# Altium PCB pcb.PcbDoc (part 2 of 2) (continued)
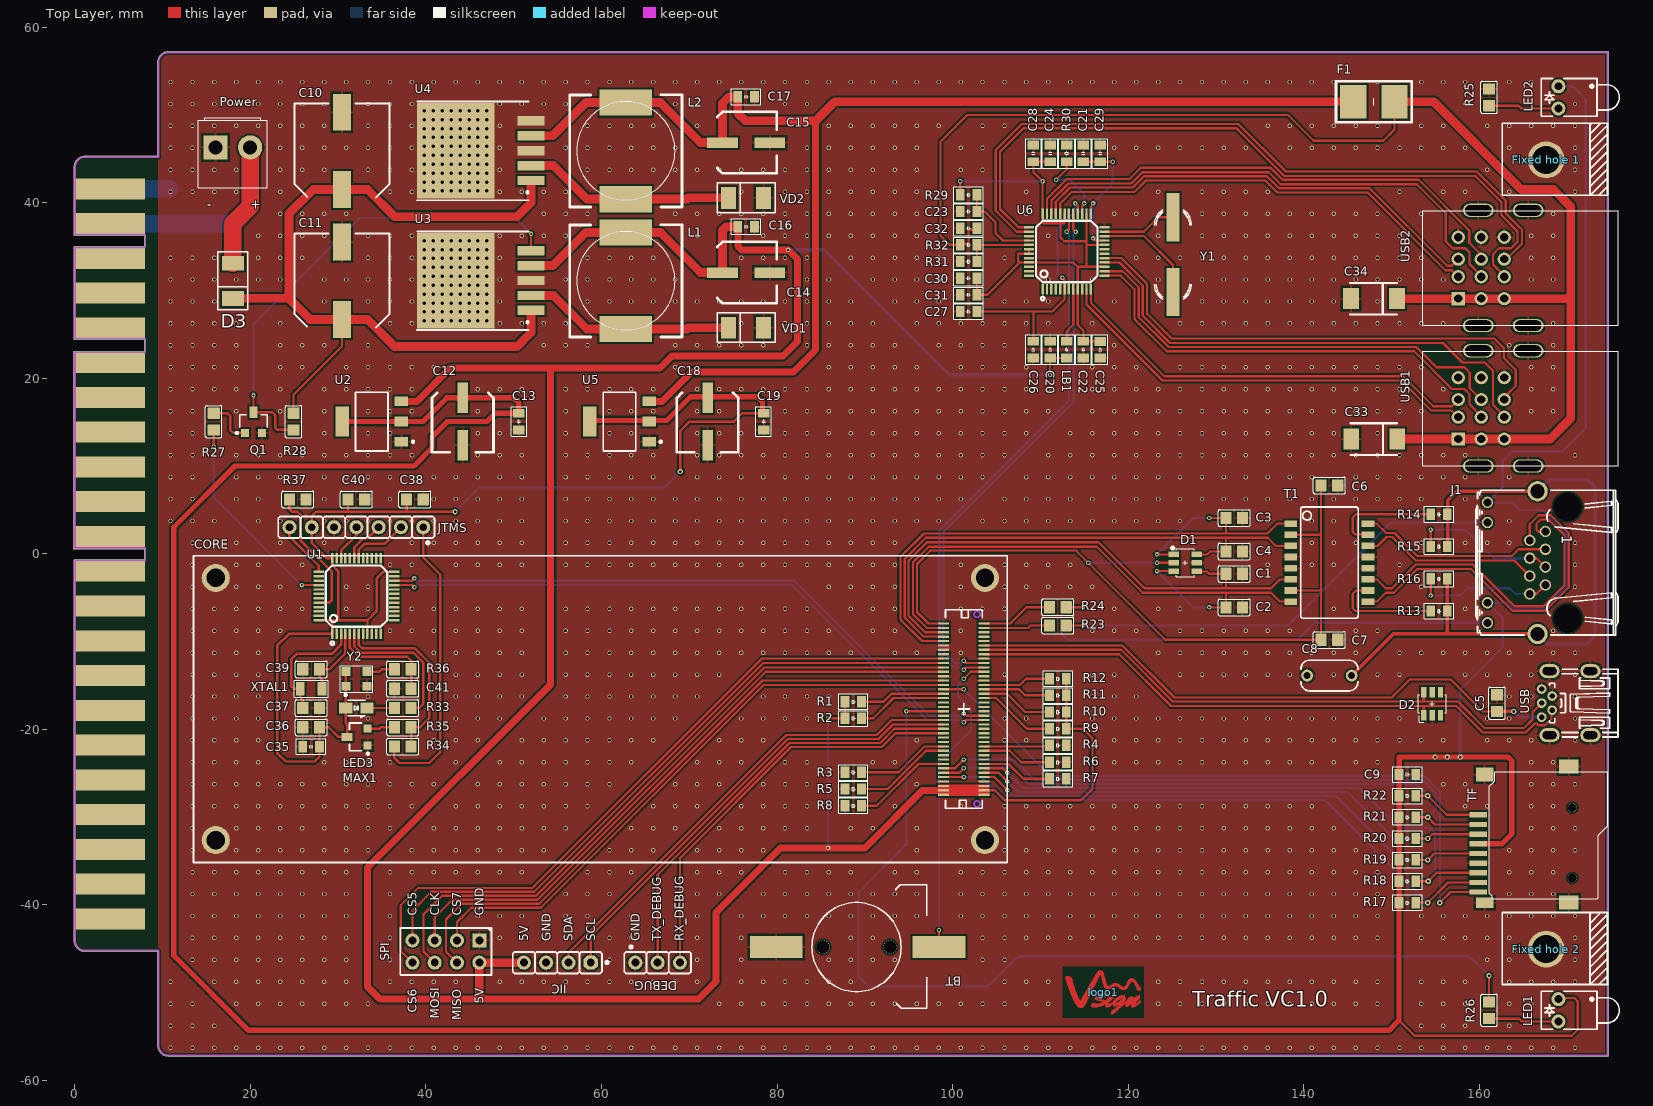
[diagram p0: Top Layer view]
## Nets (pads, with @x,y where several pads share a name; then routed paths per layer and width w, separated by ;. In a path a pad name is that pad's centre, name@x,y a point inside that pad or via, vN(x,y) a via of type N, cw(c..) or ccw(c..) an arc to the next point about the centre after c; other vN are vias at no path point) (continued)
I2C1_SCL: U1.42
I2C1_SDA: U1.43
JTMS_SWCLK: JTMS.7 U1.37 | length 6.5
  Top Layer w0.279: JTMS.7@24.447,3.034 24.447,1.974 27.777,-1.356 U1.37@27.777,-2.06
JTMS_SWDIO: JTMS.4 U1.34 | length 4.3
  Top Layer w0.279: U1.34@30.327,-0.51 30.327,0.384 32.067,2.124 JTMS.4@32.067,3.034
NetBT_2: BT.1 CORE.29 | length 35.6
  Top Layer w0.254: BT.1@98.444,-44.79 v2(98.444,-42.874) ; v2(101.265,-14.218) 102.053,-13.43 CORE.29@103.565,-13.43
  Bottom Layer w0.254: v2(98.444,-42.874) 98.444,-23.736 102.08,-20.1 102.08,-17.72 100.6,-16.24 100.6,-14.883 v2(101.265,-14.218)
NetC5_2: C5.2 CORE.35 USB.1 | length 68.8
  Top Layer w0.254: CORE.35@103.565,-10.43 119.326,-10.43 125.264,-16.368 150.018,-16.368 152.081,-14.305 156.731,-14.305 160.376,-17.95 C5.2@162.01,-17.95 ; USB.1@167.098,-18.6 USB.1@167.225,-18.727
  Top Layer w0.4: C5.2@162.01,-17.95 v3(163.926,-17.95)
  Bottom Layer w0.4: v3(163.926,-17.95) 164.576,-18.6 USB.1@167.098,-18.6
NetC10_1: C10.1 C11.1 D3.1 R28.2 U3.1 U4.1 | length 95.2
  Top Layer w0.25: R28.2@24.92,16.02 24.92,18.156 30.43,23.666 C11.1@30.43,26.71
  Top Layer w1: D3.1@18.002,29.11 24.38,29.11 ; U3.1@51.967,27.735 51.967,25.217 50.363,23.613 36.427,23.613 33.33,26.71 C11.1@30.43,26.71 26.78,26.71 24.38,29.11 ; U4.1@51.967,42.535 51.967,40.017 50.363,38.413 36.427,38.413 33.33,41.51 C10.1@30.43,41.51 27.149,41.51 24.38,38.741 24.38,29.11
NetC37_2: C37.2 U1.3 XTAL1.1 | length 14.1
  Top Layer w0.279: C37.2@25.967,-17.557 25.967,-16.636 25.667,-16.336 25.667,-15.369 24.93,-15.369 24.627,-15.066 24.627,-12.026 25.267,-11.386 29.277,-11.386 30.327,-10.336 U1.3@30.327,-9.11
NetC39_2: C39.2 U1.4 XTAL1.2 | length 8.3
  Top Layer w0.279: C39.2@27.867,-13.157 27.878,-13.146 C39.2@27.897,-13.146 ; XTAL1.2@28.167,-15.369 28.167,-14.376 27.897,-14.106 C39.2@27.897,-13.146 ; U1.4@30.827,-9.11 30.827,-11.316 28.997,-13.146 C39.2@27.897,-13.146
NetCORE_5: CORE.5 R19.1 TF.5 | length 60.9
  Top Layer w0.254: CORE.5@103.565,-25.43 104.74,-25.43 v5(106.24,-26.93) ; R19.1@152.741,-34.863 v4(154.121,-34.863) 154.854,-34.13 TF.5@158.89,-34.13
  Bottom Layer w0.254: v5(106.24,-26.93) 106.888,-27.578 143.668,-27.578 150.953,-34.863 v4(154.121,-34.863)
NetCORE_6: CORE.6 R20.1 TF.3 | length 61
  Top Layer w0.254: CORE.6@103.565,-24.93 105.24,-24.93 v5(106.24,-25.93) ; R20.1@152.741,-32.43 v4(154.121,-32.43) 154.621,-31.93 TF.3@159.89,-31.93
  Bottom Layer w0.254: v5(106.24,-25.93) 107.434,-27.124 144.944,-27.124 150.25,-32.43 v4(154.121,-32.43)
NetCORE_7: CORE.7 R18.1 TF.7 | length 67.8
  Top Layer w0.254: CORE.7@103.565,-24.43 105.74,-24.43 v5(106.24,-24.93) ; R18.1@152.794,-37.287 v4(154.174,-37.287) 155.131,-36.33 TF.7@159.89,-36.33
  Bottom Layer w0.254: v5(106.24,-24.93) 107.98,-26.67 146.29,-26.67 150.86,-31.24 154.41,-31.24 154.954,-31.784 154.954,-36.507 v4(154.174,-37.287)
NetCORE_8: CORE.8 R7.1 | length 8.2
  Top Layer w0.254: CORE.8@103.565,-23.93 106.37,-23.93 108.06,-25.62 R7.1@111.03,-25.62
NetCORE_11: CORE.11 R6.1 | length 8
  Top Layer w0.254: CORE.11@103.565,-22.43 106.494,-22.43 107.8,-23.736 111.014,-23.736 R6.1@111.03,-23.72
NetCORE_12: CORE.12 R4.1 | length 7.5
  Top Layer w0.254: CORE.12@103.565,-21.93 110.92,-21.93 R4.1@111.03,-21.82
NetCORE_23: CORE.23 R9.1 | length 8.9
  Top Layer w0.254: CORE.23@103.565,-16.43 104.975,-16.43 108.464,-19.919 R9.1@111.03,-19.919
NetCORE_24: CORE.24 R10.1 | length 8.3
  Top Layer w0.254: CORE.24@103.565,-15.93 106.18,-15.93 108.268,-18.019 R10.1@111.03,-18.019
NetCORE_25: CORE.25 R11.1 | length 7.8
  Top Layer w0.254: CORE.25@103.565,-15.43 107.563,-15.43 108.251,-16.118 R11.1@111.03,-16.118
NetCORE_26: CORE.26 R12.1 | length 7.8
  Top Layer w0.254: CORE.26@103.565,-14.93 107.65,-14.93 108.362,-14.218 R12.1@111.03,-14.218
NetCORE_39: CORE.39 R23.1 | length 7.6
  Top Layer w0.254: CORE.39@103.565,-8.43 108.628,-8.43 108.892,-8.166 111.024,-8.166 R23.1@111.03,-8.16
NetCORE_40: CORE.40 R24.2 | length 8.2
  Top Layer w0.254: CORE.40@103.565,-7.93 106.543,-7.93 108.399,-6.075 R24.2@111.03,-6.075
NetCORE_56: CORE.56 TF.9 | length 78.9
  Top Layer w0.254: CORE.56@98.965,-15.43 v2(101.265,-15.43) ; v6(155.501,-39.73) 156.701,-38.53 TF.9@159.89,-38.53
  Bottom Layer w0.254: v2(101.265,-15.43) 111.143,-25.308 153.72,-25.308 155.501,-27.089 v6(155.501,-39.73)
NetCORE_57: CORE.57 R1.1 | length 9.7
  Top Layer w0.254: R1.1@89.625,-16.836 92.124,-16.836 93.03,-15.93 CORE.57@98.965,-15.93
NetCORE_58: CORE.58 R2.1 | length 10.3
  Top Layer w0.254: R2.1@89.625,-18.736 90.964,-18.736 93.27,-16.43 CORE.58@98.965,-16.43
NetCORE_61: CORE.61 R26.2 | length 114.3
  Top Layer w0.254: v2(94.725,-17.93) CORE.61@98.965,-17.93 ; R26.2@161.11,-51.05 v6(161.11,-48.058)
  Bottom Layer w0.254: v2(94.725,-17.93) 94.725,-33.12 89.3,-38.545 89.3,-48.139 90.429,-49.267 104.013,-49.267 107.45,-45.83 158.882,-45.83 v6(161.11,-48.058)
NetCORE_65: CORE.65 DEBUG.2 | length 49.5
  Top Layer w0.254: DEBUG.2@66.39,-46.57 66.39,-36.562 81.404,-21.548 91.736,-21.548 93.354,-19.93 CORE.65@98.965,-19.93
NetCORE_66: CORE.66 DEBUG.3 | length 47.8
  Top Layer w0.254: DEBUG.3@68.93,-46.57 68.93,-34.664 81.592,-22.002 91.924,-22.002 93.496,-20.43 CORE.66@98.965,-20.43
NetCORE_69: CORE.69 R3.1 | length 10.6
  Top Layer w0.254: R3.1@89.625,-24.886 93.87,-24.886 96.826,-21.93 CORE.69@98.965,-21.93
NetCORE_70: CORE.70 R5.1 | length 11.1
  Top Layer w0.254: R5.1@89.625,-26.786 92.612,-26.786 96.968,-22.43 CORE.70@98.965,-22.43
NetCORE_73: CORE.73 R8.1 | length 11.3
  Top Layer w0.254: R8.1@89.625,-28.686 91.354,-28.686 96.11,-23.93 CORE.73@98.965,-23.93
NetCORE_74: CORE.74 R21.1 TF.2 | length 68.7
  Top Layer w0.254: CORE.74@98.965,-24.43 100.265,-24.43 v5(101.265,-23.43) ; R21.1@152.741,-29.997 v4(154.121,-29.997) 154.954,-30.83 TF.2@159.89,-30.83
  Bottom Layer w0.254: v5(101.265,-23.43) 106.958,-23.43 109.29,-25.762 153.532,-25.762 155.047,-27.277 155.047,-29.071 v4(154.121,-29.997)
NetCORE_75: CORE.75 R22.1 TF.1 | length 64.8
  Top Layer w0.254: CORE.75@98.965,-24.93 100.765,-24.93 v5(101.265,-24.43) ; R22.1@152.741,-27.563 v4(154.121,-27.563) 156.287,-29.73 TF.1@159.89,-29.73
  Bottom Layer w0.254: v5(101.265,-24.43) 101.346,-24.349 106.789,-24.349 108.656,-26.216 152.773,-26.216 v4(154.121,-27.563)
NetCORE_76: CORE.76 R17.1 TF.8 | length 69.2
  Top Layer w0.254: CORE.76@98.965,-25.43 v5(101.265,-25.43) ; R17.1@152.741,-39.73 v4(154.121,-39.73) 156.421,-37.43 TF.8@159.89,-37.43
  Bottom Layer w0.254: v5(101.265,-25.43) 103.29,-25.43 105.892,-28.032 142.423,-28.032 v4(154.121,-39.73)
NetJ1_4: J1.4 J1.5 R15.2 | length 16.7
  Top Layer w0.254: R15.2@154.45,0.839 v2(154.45,2.741) ; J1.4@165.738,-0.494 166.502,-0.494 J1.5@167.518,-1.51
  Bottom Layer w0.254: v2(154.45,2.741) 158.391,2.741 161.627,-0.494 J1.4@165.738,-0.494
NetJ1_7: J1.7 J1.8 R16.2 | length 16
  Top Layer w0.254: v2(154.45,-4.737) R16.2@154.45,-2.835 ; J1.8@165.738,-4.558 166.502,-4.558 J1.7@167.518,-3.542
  Bottom Layer w0.254: v2(154.45,-4.737) 157.827,-4.737 158.641,-3.923 163.468,-3.923 164.103,-4.558 J1.8@165.738,-4.558
NetJ1_10: J1.10 R23.2 | length 52.8
  Top Layer w0.254: R23.2@112.93,-8.16 v2(114.846,-8.16)
  Bottom Layer w0.254: v2(114.846,-8.16) 138.202,-8.16 149.934,3.572 J1.10@160.918,3.572
NetJ1_12: J1.12 R24.1 | length 56.5
  Top Layer w0.254: R24.1@112.93,-6.075 v2(114.846,-6.075)
  Bottom Layer w0.254: v2(114.846,-6.075) 113.262,-6.075 112.359,-6.978 112.359,-9.064 113.085,-9.79 139.327,-9.79 141.259,-7.858 J1.12@160.918,-7.858
NetJTMS_1: JTMS.1 R34.1 | length 33.7
  Top Layer w0.279: R34.1@36.407,-21.956 36.407,-23.246 36.987,-23.826 40.377,-23.826 41.62,-22.584 41.62,-2.35 39.687,-0.417 JTMS.1@39.687,3.034
NetL1_2: L1.2 U3.2 VD1.1 | length 24.1
  Top Layer w1: U3.2@51.967,29.435 54.515,29.435 58.34,25.61 L1.2@62.77,25.61 69.77,25.61 69.918,25.758 VD1.1@74.47,25.758
NetL2_2: L2.2 U4.2 VD2.1 | length 24.1
  Top Layer w1: U4.2@51.967,44.235 54.515,44.235 58.34,40.41 L2.2@62.77,40.41 69.77,40.41 69.918,40.558 VD2.1@74.47,40.558
NetLB1_1: LB1.1 U6.8 | length 6.2
  Top Layer w0.254: LB1.1@112.994,24.217 112.994,25.344 113.744,26.094 U6.8@113.744,30.147
NetLED1_2: LED1.2 R26.1 | length 8
  Top Layer w0.254: R26.1@161.11,-52.95 164.53,-52.95 164.85,-53.27 LED1.2@169,-53.27
NetLED2_2: LED2.2 R25.1 | length 8
  Top Layer w0.254: R25.1@161.11,51.05 164.468,51.05 164.788,50.73 LED2.2@169,50.73
NetLED3_2: LED3.1 R33.1 | length 3.1
  Top Layer w0.279: LED3.1@33.262,-17.557 36.405,-17.557 R33.1@36.407,-17.554
NetMAX1_2: MAX1.2 R35.1 | length 3.1
  Top Layer w0.279: MAX1.2@33.362,-19.906 34.717,-19.906 34.868,-19.755 R35.1@36.407,-19.755
NetQ1_1: Q1.3 R28.1 U3.5 | length 55.6
  Top Layer w0.254: Q1.3@20.355,16.14 v2(20.355,18.056) ; U3.5@51.967,34.535 v2(51.967,36.451)
  Top Layer w0.279: Q1.3@20.355,16.14 22.482,16.14 22.803,15.82 22.803,14.374 23.057,14.12 R28.1@24.92,14.12
  Bottom Layer w0.254: v2(20.355,18.056) 20.355,26.148 32.466,38.26 50.159,38.26 v2(51.967,36.451)
NetQ1_2: Q1.1 R27.2 | length 5.5
  Top Layer w0.279: R27.2@15.82,16.02 17.402,16.02 17.689,15.732 17.689,14.113 18.012,13.79 Q1.1@19.405,13.79
NetR13_1: R13.1 T1.10 | length 12.6
  Top Layer w0.254: T1.10@147.33,-4.173 145.94,-4.173 145.577,-4.536 145.577,-6.205 145.881,-6.509 R13.1@154.45,-6.509
NetR14_1: R14.1 T1.15 | length 12.6
  Top Layer w0.254: T1.15@147.33,2.177 147.278,2.229 145.83,2.229 145.577,2.483 145.577,4.149 145.941,4.513 R14.1@154.45,4.513
NetR36_2: R36.2 Y2.3 | length 3.2
  Top Layer w0.279: Y2.3@33.277,-13.408 34.706,-13.408 34.961,-13.152 R36.2@36.407,-13.152
NetR37_1: R37.1 U1.44 | length 15.4
  Top Layer w0.279: R37.1@24.447,6.204 24.447,5.114 24.777,4.784 25.389,4.784 25.717,4.455 25.717,1.53 29.28,-2.033 29.28,-5.24 28.96,-5.56 U1.44@27.777,-5.56
NetU6_22: U6.22 Y1.2 | length 12.2
  Top Layer w0.254: U6.22@117.294,36.197 121.809,36.197 125.094,32.912 Y1.2@125.094,29.837
NetU6_23: U6.23 Y1.1 | length 8.5
  Top Layer w0.254: U6.23@117.294,36.697 121.781,36.697 123.421,38.337 Y1.1@125.094,38.337
NRST: R34.2 R35.2 U1.7 | length 21.2
  Top Layer w0.279: U1.7@32.327,-9.11 32.327,-10.347 32.742,-10.762 38.741,-10.762 40.377,-12.399 40.377,-18.716 39.337,-19.756 R35.2@38.307,-19.755 R35.2@38.307,-19.755 R34.2@38.307,-21.956
OSC_IN: C41.2 R36.1 U1.5 | length 12.4
  Top Layer w0.279: U1.5@31.327,-9.11 31.327,-10.702 32.345,-11.72 37.862,-11.72 38.307,-12.165 R36.1@38.307,-13.152 C41.2@38.307,-15.353
PA0: U1.10
PA1: U1.11
PA2: U1.12
PA3: U1.13
PA4: U1.14
PA5: U1.15
PA6: U1.16
PA7: U1.17
PA8: U1.29
PA9: JTMS.2 U1.30 | length 6.9
  Top Layer w0.279: U1.30@32.327,-0.51 32.327,0.467 33.004,1.144 35.257,1.144 JTMS.2@37.147,3.034
PA10: JTMS.3 U1.31 | length 5
  Top Layer w0.279: U1.31@31.827,-0.51 31.827,0.737 32.894,1.804 33.377,1.804 JTMS.3@34.607,3.034
PA15: U1.38
PB0: U1.18
PB1: U1.19
PB2: U1.20
PB3: U1.39
PB4: R27.1 U1.40 | length 23.8
  Top Layer w0.254: v2(15.82,12.204) R27.1@15.82,14.12 ; v2(25.861,-3.56) U1.40@27.777,-3.56
  Bottom Layer w0.254: v2(15.82,12.204) 15.82,6.481 v2(25.861,-3.56)
PB5: U1.41
PB8: U1.45
PB9: U1.46
PB12: U1.25
PB13: U1.26
PB14: U1.27
PB15: U1.28
PD1: R33.2 U1.6 | length 16.3
  Top Layer w0.279: U1.6@31.827,-9.11 31.827,-10.525 32.544,-11.241 38.542,-11.241 39.687,-12.386 39.687,-17.096 39.229,-17.554 R33.2@38.307,-17.554
PJ_GND: C8.1 J1.13 R13.2 R14.2 R15.1 R16.1 | length 77.2
  Top Layer w0.4: C8.1@145.46,-13.86 150.192,-9.128 156.35,-9.128 ; R16.1@156.35,-2.835 R13.2@156.35,-6.509 156.35,-9.128 ; R15.1@156.35,0.839 156.38,0.869 156.38,6.1 157.412,7.132 J1.13@166.628,7.132 ; J1.13@166.628,-9.128 156.35,-9.128
  Bottom Layer w0.4: J1.13@166.628,-9.128 167.8,-10.3 172.19,-10.3 173.21,-9.28 173.21,7.55 172.29,8.47 167.966,8.47 J1.13@166.628,7.132
REXT: R30.2 U6.27 | length 8.7
  Top Layer w0.254: v2(111.809,42.625) 112.994,43.81 R30.2@112.994,44.677 ; U6.27@114.744,38.747 114.744,39.614 v2@114.994,39.863
  Bottom Layer w0.254: v2(111.809,42.625) 113.365,42.625 114.994,40.996 v2(114.994,39.93)
RX1_N: J1.2 T1.9 | length 41.2
  Top Layer w0.25: T1.9@147.33,-5.443 148.324,-5.443 149.344,-4.423 150.247,-4.423 152.96,-1.71 159.025,-1.71 163.785,-6.47 167.517,-6.47 170.19,-3.797 170.19,2.339 168.126,4.403 166.752,4.403 165.738,3.389 J1.2@165.738,1.538
RX1_P: J1.1 T1.11 | length 38.5
  Top Layer w0.25: T1.11@147.33,-2.903 148.325,-2.903 149.345,-3.923 150.04,-3.923 152.753,-1.21 159.232,-1.21 163.992,-5.97 167.31,-5.97 169.69,-3.59 169.69,2.132 167.919,3.903 166.959,3.903 166.493,3.437 166.493,2.777 166.772,2.498 167.462,2.498 J1.1@167.518,2.554
SCL: CORE.64 IIC.1 | length 53.2
  Top Layer w0.254: IIC.1@58.77,-46.57 58.77,-43.54 81.216,-21.094 91.548,-21.094 93.212,-19.43 CORE.64@98.965,-19.43
SDA: CORE.63 IIC.2 | length 54.8
  Top Layer w0.254: IIC.2@56.23,-46.57 56.23,-45.438 81.028,-20.64 91.36,-20.64 93.07,-18.93 CORE.63@98.965,-18.93
SPI_CLK: CORE.52 SPI.5 | length 72.2
  Top Layer w0.254: SPI.5@40.993,-44.03 40.993,-41.397 42.979,-39.412 52.711,-39.412 78.693,-13.43 CORE.52@98.965,-13.43
SPI_CS5: CORE.50 SPI.7 | length 75.6
  Top Layer w0.254: SPI.7@38.453,-44.03 38.453,-40.649 40.598,-38.504 52.334,-38.504 78.408,-12.43 CORE.50@98.965,-12.43
SPI_CS6: CORE.49 SPI.8 | length 80.6
  Top Layer w0.254: SPI.8@38.453,-46.57 37.13,-45.247 37.13,-40.028 39.108,-38.05 52.146,-38.05 78.266,-11.93 CORE.49@98.965,-11.93
SPI_CS7: CORE.55 SPI.3 | length 68.7
  Top Layer w0.254: SPI.3@43.533,-44.03 43.533,-41.937 45.15,-40.32 53.087,-40.32 78.477,-14.93 CORE.55@98.965,-14.93
SPI_MISO: CORE.54 SPI.4 | length 73.4
  Top Layer w0.254: SPI.4@43.533,-46.57 42.29,-45.327 42.29,-41.66 44.084,-39.866 52.899,-39.866 78.335,-14.43 CORE.54@98.965,-14.43
SPI_MOSI: CORE.51 SPI.6 | length 76.9
  Top Layer w0.254: SPI.6@40.993,-46.57 39.71,-45.287 39.71,-41.063 41.815,-38.958 52.523,-38.958 78.551,-12.93 CORE.51@98.965,-12.93
TESTJ: U6.2
TX1_N: J1.6 T1.14 | length 20.7
  Top Layer w0.25: T1.14@147.33,0.907 148.395,0.907 149.415,1.927 150.069,1.927 152.756,-0.76 163.972,-0.76 J1.6@165.738,-2.526
TX1_P: J1.3 T1.16 | length 22
  Top Layer w0.25: T1.16@147.33,3.447 148.324,3.447 149.391,2.38 150.323,2.38 152.963,-0.26 163.682,-0.26 164.464,0.522 J1.3@167.518,0.522
USB_3.3V: C22.2 C24.2 C25.2 C28.2 C30.2 C31.2 R29.1 U6.9 U6.15 U6.20 U6.26 U6.31 U6.36 U6.42 U6.43 U6.45 | length 68.4
  Top Layer w0.254: R29.1@100.866,40.907 v2(100.866,42.444) ; C30.2@102.764,31.407 C31.2@102.764,29.507 103.961,29.507 107.651,33.197 ; U6.42@108.694,34.697 U6.43@108.694,34.197 107.437,34.197 107.437,33.411 107.651,33.197 ; C24.2@111.094,44.677 C28.2@109.194,44.677 109.194,43.494 v2(110.244,42.444) U6.36@110.244,38.747 110.244,37.673 112.283,37.673 ; U6.31@112.744,38.747 112.744,37.673 112.283,37.673 ; U6.26@115.244,38.747 115.244,35.616 ; C25.2@116.794,24.207 116.774,24.227 C22.2@114.894,24.227 114.894,25.426 114.244,26.076 U6.9@114.244,30.147 114.244,32.697 ; U6.15@117.294,32.697 115.244,32.697 ; U6.20@117.294,35.197 115.244,35.197 ; 107.651,33.197 U6.45@108.694,33.197 113.744,33.197 114.244,32.697 ; 112.283,37.673 112.283,36.044 112.712,35.616 115.244,35.616 ; 114.244,32.697 115.244,32.697 ; 115.244,32.697 115.244,35.197 ; 115.244,35.197 115.244,35.616
  Bottom Layer w0.254: v2(100.866,42.444) v2(110.244,42.444)
USB_5V: C15.1 C17.1 F1.2 L2.1 U4.4 U5.3 | length 152.5
  Top Layer w0.8: U5.3@65.425,17.37 66.9,17.37 70.267,20.737 81.887,20.737 84.393,23.243 84.393,49.335
  Top Layer w1: U4.4@51.967,47.635 54.425,47.635 58.2,51.41 L2.1@62.77,51.41 66.718,51.41 71.278,46.85 C15.1@73.77,46.85 73.77,51.317 74.525,52.073 C17.1@75.52,52.073 75.52,50.207 76.392,49.335 84.393,49.335 86.557,51.5 F1.2@145.641,51.5
USBD_D_N: CORE.33 D2.1 USB.2 | length 71.3
  Top Layer w0.25: CORE.33@103.565,-11.43 118.98,-11.43 124.87,-17.32 153.657,-17.32 ; D2.1@153.671,-18.384 153.671,-17.334 153.657,-17.32 ; USB.2@168.298,-17.8 168.231,-17.867 168.231,-18.775 167.481,-19.525 166.715,-19.525 166.513,-19.323 166.306,-19.323 165.279,-20.35 160.399,-20.35 157.369,-17.32 153.657,-17.32
USBD_D_P: CORE.34 D2.6 USB.3 | length 70
  Top Layer w0.25: CORE.34@103.565,-10.93 119.187,-10.93 125.077,-16.82 153.657,-16.82 ; D2.6@153.671,-15.764 153.671,-16.806 153.657,-16.82 ; USB.3@167.098,-17 166.056,-18.042 166.056,-18.866 165.072,-19.85 160.607,-19.85 157.577,-16.82 153.657,-16.82
USBH_D_N: CORE.31 U6.29 | length 61.6
  Top Layer w0.254: v2(101.265,-12.18) 101.515,-12.43 CORE.31@103.565,-12.43 ; U6.29@113.744,38.747 113.744,36.958 v2(114.005,36.697)
  Bottom Layer w0.25: v2(101.265,-12.18) 101.015,-12.43 100.282,-12.43 98.965,-11.113 98.965,2.508 113.75,17.293 113.75,36.425 114.005,36.681 v2(114.005,36.697)
USBH_D_P: CORE.30 U6.30 | length 62.4
  Top Layer w0.254: v2(101.265,-13.191) 101.526,-12.93 CORE.30@103.565,-12.93 ; v2(112.994,36.697) 112.994,36.763 113.244,37.013 U6.30@113.244,38.747
  Bottom Layer w0.25: v2(101.265,-13.191) 101.004,-12.93 100.075,-12.93 98.465,-11.32 98.465,2.715 113.25,17.5 113.25,36.425 112.994,36.681 v2(112.994,36.697)
V18: C21.2 C26.2 C27.2 C29.2 U6.6 U6.21 U6.25 U6.28 | length 45
  Top Layer w0.254: C27.2@102.766,27.607 109.194,27.607 ; C26.2@109.194,24.217 109.194,27.607 ; v2(112.501,31.447) 112.744,31.203 U6.6@112.744,30.147 112.744,29.004 111.347,27.607 109.194,27.607 ; v2(113.983,39.93) 114.244,39.669 U6.28@114.244,38.747 ; C21.2@114.894,44.677 C29.2@116.794,44.677 v2(118.23,44.677) ; U6.25@115.744,38.747 115.744,39.614 v2@115.994,39.863 ; v2(115.994,35.94) 116.238,35.697 U6.21@117.294,35.697
  Bottom Layer w0.254: v2(112.501,31.447) 111.95,31.998 111.95,36.997 113.983,39.03 ; v2(113.983,39.93) 113.983,39.03 ; v2@115.949,39.885 v2(115.994,39.93) ; v2(115.994,35.94) 115.994,39.03 ; v2(118.23,44.677) 118.23,42.166 v2(115.994,39.93) ; 113.983,39.03 115.994,39.03 ; 115.994,39.03 v2(115.994,39.93)
VBUSM: R31.2 R32.2 U6.41 | length 7.8
  Top Layer w0.254: R31.2@102.766,33.307 R32.2@102.766,35.207 ; R32.2@102.776,35.197 U6.41@108.694,35.197
VCC_3.3V: C18.1 C19.1 C35.2 C36.2 C38.2 C40.2 JTMS.6 LED3.2 MAX1.3 U1.1 U1.9 U1.24 U1.36 U1.48 U5.2 U5.4 Y2.1 Y2.4 | length 153.1
  Top Layer w0.279: U1.48@27.777,-7.56 29.327,-7.56 U1.1@29.327,-9.11 24.393,-9.11 23.047,-10.455 23.047,-22.676 24.027,-23.656 27.317,-23.656 27.867,-23.106 C35.2@27.867,-21.956 C36.2@27.867,-19.755 28.928,-19.756 30.027,-20.856 MAX1.3@31.012,-20.856 31.012,-19.381 30.862,-19.23 LED3.2@30.862,-17.557 30.877,-17.541 Y2.1@30.877,-15.084 Y2.4@30.877,-13.408 ; U1.36@29.327,-0.51 28.741,-0.51 26.987,1.244 JTMS.6@26.987,3.034 26.987,4.324 27.467,4.804 31.117,4.804 ; U1.36@29.327,-0.51 29.328,-1.3 30.017,-1.99 30.017,-7.56 ; 29.344,-7.56 30.017,-7.56 ; C40.2@31.117,6.204 31.117,4.804 ; U1.9@33.327,-9.11 33.34,-9.097 33.34,-7.56 ; U1.24@36.377,-2.06 35.1,-2.06 34.371,-2.789 34.371,-6.529 33.34,-7.56 ; C38.2@37.787,6.204 37.787,4.804 ; v3(43.316,4.804) 37.787,4.804 ; v3(68.98,9.37) 68.98,14.027 70.023,15.07 75.069,15.07 76.019,16.02 C19.1@78.47,16.02 ; 30.017,-7.56 33.34,-7.56 ; 31.117,4.804 37.787,4.804
  Top Layer w0.6: U5.4@58.213,15.197 67.421,15.197 70.121,17.897 77.726,17.897 78.343,17.28 C19.1@78.343,16.147
  Bottom Layer w0.279: v3(43.316,4.804) 46.122,7.61 67.22,7.61 v3(68.98,9.37)
VCC_5V: C14.1 C16.1 C20.2 CORE.1 CORE.2 CORE.3 CORE.78 CORE.79 CORE.80 IIC.4 L1.1 LB1.2 R1.2 R2.2 R9.2 R10.2 R11.2 R12.2 SPI.2 U2.3 U3.4 | length 357.1
  Top Layer w0.254: v2(85.809,-18.736) R2.2@87.725,-18.736 R1.2@87.725,-16.836 ; CORE.2@103.565,-26.93 104.79,-26.93 105.94,-28.08 114.63,-28.08 115.915,-26.795 115.915,-20.988 114.846,-19.919 R9.2@112.93,-19.919 R10.2@112.93,-18.019 R11.2@112.93,-16.118 R12.2@112.93,-14.218 ; v2(111.094,20.401) C20.2@111.094,22.317 LB1.2@112.994,22.317
  Top Layer w0.4: 45.946,-50.72 46.073,-50.593
  Top Layer w0.8: U2.3@37.2,17.37 38.96,17.37 42.76,21.17 54.21,21.17 ; C16.1@75.52,37.273 75.52,35.064 75.953,34.632 v2(81.276,34.632) 82.32,33.587 82.32,24.19 80.68,22.55 68.02,22.55 66.64,21.17 54.21,21.17 ; 101.343,-26.933 96.575,-26.933 90.009,-33.5 v2(85.809,-33.5) 80.37,-33.5 73.027,-40.843 73.027,-48.733 71.04,-50.72 45.946,-50.72 34.737,-50.72 33.33,-49.313 33.33,-35.746 54.21,-14.866 54.21,21.17
  Top Layer w1: 46.073,-50.593 SPI.2@46.073,-46.57 IIC.4@51.15,-46.57 ; U3.4@51.967,32.835 54.425,32.835 58.2,36.61 L1.1@62.77,36.61 66.718,36.61 71.278,32.05 C14.1@73.77,32.05 ; C14.1@74.011,32.05 C14.1@73.77,32.05 ; C16.1@75.52,37.273 74.189,37.273 73.77,36.854 C14.1@73.77,32.05
  Bottom Layer w0.254: v2(85.809,-33.5) v2(85.809,-18.736)
  Bottom Layer w0.4: v2(81.276,34.632) 85.345,34.632 99.576,20.401 v2(111.094,20.401)
VCC_12V: D3.2 pad.2@4,37.62 Power.2 | length 37.5
  Top Layer w2: D3.2@18.002,33.11 18.002,37.62 19.97,39.588 Power.2@19.97,46.31
  Bottom Layer w2: pad.2@4,37.62 18.002,37.62 19.97,39.588 Power.2@19.97,46.31
VCC_USB: C32.2 C33.1 C34.1 F1.1 R32.1 USB1.1 USB1.5 USB1.9 USB2.1 USB2.5 USB2.9 | length 164.4
  Top Layer w0.254: C32.2@102.766,37.107 102.588,36.929 101.939,36.929 101.81,36.8 101.81,35.52 101.624,35.334 100.993,35.334 R32.1@100.866,35.207 99.643,35.207 98.62,36.23 98.62,46.95 101.68,50.01 138.167,50.01 141.12,47.057 149.057,47.057 150.34,48.339 F1.1@150.34,51.5
  Top Layer w1: F1.1@150.34,51.5 154.798,51.5 164.788,41.51 168.44,41.51 170.42,39.53 170.42,29.07 ; C34.1@150.611,29.07 USB2.1@157.595,29.07 USB2.5@160.215,29.07 USB2.9@162.835,29.07 170.42,29.07 ; C33.1@150.651,13.07 USB1.1@157.595,13.07 USB1.5@160.215,13.07 USB1.9@162.835,13.07 168.05,13.07 170.42,15.44 170.42,29.07
XRSTJ: C23.2 R29.2 U6.40 | length 9.9
  Top Layer w0.254: R29.2@102.766,40.907 C23.2@102.766,39.007 103.668,39.007 104.89,37.784 104.89,36.53 105.723,35.697 U6.40@108.694,35.697
pads on no net: BT.0 CORE.9 CORE.10 CORE.13 CORE.14 CORE.15 CORE.16 CORE.17 CORE.20 CORE.21 CORE.22 CORE.28 CORE.36 CORE.37 CORE.38 CORE.48 CORE.59 CORE.60 CORE.62 CORE.67 CORE.68 CORE.71 CORE.72 D2.3 D2.4 D2.5 J1.M1 J1.M2 TF.0 U1.2 U1.32 U1.33 U6.3 U6.4 U6.5 U6.7 U6.44 U6.46 U6.47 U6.48

## Polygon pours and split planes (outlines as drawn)
GND on Top Layer "Top Layer-GND" (solid, remove dead copper, pour order 2): -0.127,-0.797 cw(c-0.005,-0.762) -0.005,-0.635 7.874,-0.635 7.874,0.508 0.076,0.508 cw(c0,0.61) -0.127,0.598 cw(c-0.005,0.635) -0.127,0.67 -0.127,22.952 cw(c-0.005,22.987) -0.005,23.114 7.874,23.114 7.874,24.384 0.076,24.384 cw(c0,24.486) -0.127,24.474 cw(c-0.005,24.511) -0.127,24.546 -0.127,34.89 cw(c-0.005,34.925) -0.005,35.052 7.874,35.052 7.874,36.22 0,36.22 cw(c0,36.347) -0.127,36.347 -0.127,44.034 cw(c-0.005,44.069) -0.119,44.125 cw(c1.143,44.076) 1.143,45.339 9.393,45.339 9.393,56.007 cw(c9.52,56.007) 9.398,56.044 cw(c10.661,56.007) 10.625,57.27 cw(c10.668,57.15) 10.668,57.277 174.625,57.277 cw(c174.625,57.15) 174.752,57.15 174.752,-57.125 cw(c174.625,-57.125) 174.752,-57.137 cw(c174.625,-57.15) 174.752,-57.15 cw(c174.625,-57.15) 174.625,-57.277 10.668,-57.277 cw(c10.668,-57.15) 10.625,-57.27 cw(c10.661,-56.007) 9.398,-56.044 cw(c9.52,-56.007) 9.393,-56.007 9.393,-45.339 1.143,-45.339 cw(c1.143,-45.212) 1.1,-45.332 cw(c1.136,-44.069) -0.127,-44.069
GND on Bottom Layer "Bottom Layer-GND" (solid, remove dead copper, pour order 0): -0.127,-0.797 cw(c-0.005,-0.762) -0.005,-0.635 7.874,-0.635 7.874,0.508 0.076,0.508 cw(c0,0.61) -0.127,0.598 cw(c-0.005,0.635) -0.127,0.67 -0.127,22.952 cw(c-0.005,22.987) -0.005,23.114 7.874,23.114 7.874,24.384 0.076,24.384 cw(c0,24.486) -0.127,24.474 cw(c-0.005,24.511) -0.127,24.546 -0.127,34.89 cw(c-0.005,34.925) -0.005,35.052 7.874,35.052 7.874,36.22 0,36.22 cw(c0,36.347) -0.127,36.347 -0.127,44.034 cw(c-0.005,44.069) -0.119,44.125 cw(c1.143,44.076) 1.143,45.339 9.393,45.339 9.393,56.007 cw(c9.52,56.007) 9.398,56.044 cw(c10.661,56.007) 10.625,57.27 cw(c10.668,57.15) 10.668,57.277 174.625,57.277 cw(c174.625,57.15) 174.752,57.15 174.752,-57.125 cw(c174.625,-57.125) 174.752,-57.137 cw(c174.625,-57.15) 174.752,-57.15 cw(c174.625,-57.15) 174.625,-57.277 10.668,-57.277 cw(c10.668,-57.15) 10.625,-57.27 cw(c10.661,-56.007) 9.398,-56.044 cw(c9.52,-56.007) 9.393,-56.007 9.393,-45.339 1.143,-45.339 cw(c1.143,-45.212) 1.1,-45.332 cw(c1.136,-44.069) -0.127,-44.069

## Keep-outs
Keep-Out Layer:
  lines w0.254: -0.005,-0.762 8.001,-0.762 8.001,0.635 -0.005,0.635 ; -0.005,22.987 8.001,22.987 8.001,24.511 -0.005,24.511 ; -0.005,34.925 8.001,34.925 8.001,36.347 0,36.347 0,44.064 -0.005,44.069 ; 0,-0.767 0,-44.069 ccw(c1.136,-44.069) 1.136,-45.205 ; 0,0.61 0,22.987 ; 0,24.486 0,34.9 ; 0.007,44.076 cw(c1.143,44.076) 1.143,45.212 9.525,45.212 ; 1.143,-45.212 9.52,-45.212 9.52,-56.007 ; 9.52,45.212 9.52,56.007 ; 9.525,-56.007 ccw(c10.661,-56.007) 10.661,-57.143 ; 9.525,56.007 cw(c10.661,56.007) 10.661,57.143 ; 10.668,-57.15 174.625,-57.15 ; 10.668,57.15 174.625,57.15 174.625,-57.125

## Other copper
Top Layer:
  region net VCC_5V: 104.2,-27.56 104.2,-26.3 98.36,-26.3 98.36,-27.56
  pour cut-out: 7.46,-46.47
  pour cut-out: 8.31,-46.37
  pour cut-out: 9.525,45.212 -0.005,45.212 -0.005,-45.207 0,-45.212 9.52,-45.212
Bottom Layer:
  pour cut-out: 9.525,45.212 -0.005,45.212 -0.005,-45.207 0,-45.212 9.52,-45.212

## Silkscreen, mask and mechanical layers (free items; w line width, h text height)
Top Overlay:
  text "-" at 15.057,39.33 h1
  text "+" at 20.057,39.33 h1
  text "CS5" at 38.95,-41.2 h1 r90
  text "CLK" at 41.49,-41.2 h1 r90
  text "CS7" at 44.03,-41.2 h1 r90
  text "GND" at 46.57,-41.2 h1 r90
  text "5V" at 51.65,-44.11 h1 r90
  text "GND" at 54.19,-44.11 h1 r90
  text "SDA" at 56.73,-44.11 h1 r90
  text "SCL" at 59.27,-44.11 h1 r90
  text "GND" at 64.35,-44.11 h1 r90
  text "TX_DEBUG" at 66.807,-44.11 h1 r90
  text "RX_DEBUG" at 69.347,-44.11 h1 r90
  text "5V" at 46.573,-51.277 h1 r90
  text "Traffic VC1.0" at 127.29,-52.24 h3
  text "CS6" at 38.953,-52.277 h1 r90
  text "MOSI" at 41.493,-52.943 h1 r90
  text "MISO" at 44.033,-53.11 h1 r90
Mechanical 15:
  lines w0.254: -1.81,0 1.52,0 ; 0,-54.15 174.61,-54.15 ; 0,-44.196 0,-57.15 10.541,-57.15 ; 0,-2.44 0,2.32 ; 0,54.15 174.625,54.15 ; 175.825,-57.15 175.825,57.15

## Dimensions
174.625,57.15 to 0,44.064 on Mechanical 15
174.625,-57.15 to 174.625,57.15 on Mechanical 15

## Text inside footprints (layer, text, board x,y; h text height)
C9: Mechanical 18 "2" at 150.641,-25.13 h0.5 r180; Mechanical 18 "1" at 152.541,-25.13 h0.5 r180
C13: Mechanical 18 "1" at 50.58,14.32 h0.5 r90; Mechanical 18 "2" at 50.58,16.22 h0.5 r90
C16: Mechanical 18 "2" at 75.32,37.273 h0.5 r180; Mechanical 18 "1" at 77.22,37.273 h0.5 r180
C17: Mechanical 18 "1" at 77.22,52.073 h0.5 r180; Mechanical 18 "2" at 75.32,52.073 h0.5 r180
C19: Mechanical 18 "1" at 78.47,14.32 h0.5 r90; Mechanical 18 "2" at 78.47,16.22 h0.5 r90
C20: Mechanical 18 "1" at 111.094,22.517 h0.5 r90; Mechanical 18 "2" at 111.094,24.417 h0.5 r90
C21: Mechanical 18 "1" at 114.894,44.877 h0.5 r90; Mechanical 18 "2" at 114.894,46.777 h0.5 r90
C22: Mechanical 18 "2" at 114.894,22.127 h0.5 r270; Mechanical 18 "1" at 114.894,24.027 h0.5 r270
C23: Mechanical 18 "2" at 100.666,39.007 h0.5 r180; Mechanical 18 "1" at 102.566,39.007 h0.5 r180
C24: Mechanical 18 "1" at 111.094,44.877 h0.5 r90; Mechanical 18 "2" at 111.094,46.777 h0.5 r90
C25: Mechanical 18 "1" at 116.794,24.007 h0.5 r270; Mechanical 18 "2" at 116.794,22.107 h0.5 r270
C26: Mechanical 18 "1" at 109.194,24.017 h0.5 r270; Mechanical 18 "2" at 109.194,22.117 h0.5 r270
C27: Mechanical 18 "2" at 100.666,27.607 h0.5 r180; Mechanical 18 "1" at 102.566,27.607 h0.5 r180
C28: Mechanical 18 "1" at 109.194,44.877 h0.5 r90; Mechanical 18 "2" at 109.194,46.777 h0.5 r90
C29: Mechanical 18 "1" at 116.794,44.877 h0.5 r90; Mechanical 18 "2" at 116.794,46.777 h0.5 r90
C30: Mechanical 18 "2" at 100.664,31.407 h0.5 r180; Mechanical 18 "1" at 102.564,31.407 h0.5 r180
C31: Mechanical 18 "2" at 100.664,29.507 h0.5 r180; Mechanical 18 "1" at 102.564,29.507 h0.5 r180
C32: Mechanical 18 "2" at 100.666,37.107 h0.5 r180; Mechanical 18 "1" at 102.566,37.107 h0.5 r180
C35: Mechanical 18 "2" at 25.767,-21.956 h0.5 r180; Mechanical 18 "1" at 27.667,-21.956 h0.5 r180
J1: Top Overlay "1" at 169.357,2.12 h1.2 r270; Mechanical 14 "1" at 169.357,2.12 h1.2 r270
LB1: Mechanical 18 "1" at 112.994,22.517 h0.5 r90; Mechanical 18 "2" at 112.994,24.417 h0.5 r90
R1: Mechanical 18 "2" at 89.825,-16.836 h0.5; Mechanical 18 "1" at 87.925,-16.836 h0.5
R2: Mechanical 18 "2" at 89.825,-18.736 h0.5; Mechanical 18 "1" at 87.925,-18.736 h0.5
R3: Mechanical 18 "2" at 89.825,-24.886 h0.5; Mechanical 18 "1" at 87.925,-24.886 h0.5
R4: Mechanical 18 "2" at 110.83,-21.82 h0.5 r180; Mechanical 18 "1" at 112.73,-21.82 h0.5 r180
R5: Mechanical 18 "2" at 89.825,-26.786 h0.5; Mechanical 18 "1" at 87.925,-26.786 h0.5
R6: Mechanical 18 "2" at 110.83,-23.72 h0.5 r180; Mechanical 18 "1" at 112.73,-23.72 h0.5 r180
R7: Mechanical 18 "2" at 110.83,-25.62 h0.5 r180; Mechanical 18 "1" at 112.73,-25.62 h0.5 r180
R8: Mechanical 18 "2" at 89.825,-28.686 h0.5; Mechanical 18 "1" at 87.925,-28.686 h0.5
R9: Mechanical 18 "2" at 110.83,-19.919 h0.5 r180; Mechanical 18 "1" at 112.73,-19.919 h0.5 r180
R10: Mechanical 18 "2" at 110.83,-18.019 h0.5 r180; Mechanical 18 "1" at 112.73,-18.019 h0.5 r180
R11: Mechanical 18 "2" at 110.83,-16.118 h0.5 r180; Mechanical 18 "1" at 112.73,-16.118 h0.5 r180
R12: Mechanical 18 "2" at 110.83,-14.218 h0.5 r180; Mechanical 18 "1" at 112.73,-14.218 h0.5 r180
R13: Mechanical 18 "1" at 156.15,-6.509 h0.5 r180; Mechanical 18 "2" at 154.25,-6.509 h0.5 r180
R14: Mechanical 18 "1" at 156.15,4.513 h0.5 r180; Mechanical 18 "2" at 154.25,4.513 h0.5 r180
R15: Mechanical 18 "1" at 154.65,0.839 h0.5; Mechanical 18 "2" at 156.55,0.839 h0.5
R16: Mechanical 18 "1" at 154.65,-2.835 h0.5; Mechanical 18 "2" at 156.55,-2.835 h0.5
R17: Mechanical 18 "1" at 151.041,-39.73 h0.5; Mechanical 18 "2" at 152.941,-39.73 h0.5
R18: Mechanical 18 "1" at 151.041,-37.297 h0.5; Mechanical 18 "2" at 152.941,-37.297 h0.5
R19: Mechanical 18 "1" at 151.041,-34.863 h0.5; Mechanical 18 "2" at 152.941,-34.863 h0.5
R20: Mechanical 18 "1" at 151.041,-32.43 h0.5; Mechanical 18 "2" at 152.941,-32.43 h0.5
R21: Mechanical 18 "1" at 151.041,-29.997 h0.5; Mechanical 18 "2" at 152.941,-29.997 h0.5
R22: Mechanical 18 "1" at 151.041,-27.563 h0.5; Mechanical 18 "2" at 152.941,-27.563 h0.5
R29: Mechanical 18 "2" at 100.666,40.907 h0.5 r180; Mechanical 18 "1" at 102.566,40.907 h0.5 r180
R30: Mechanical 18 "1" at 112.994,44.877 h0.5 r90; Mechanical 18 "2" at 112.994,46.777 h0.5 r90
R31: Mechanical 18 "2" at 100.666,33.307 h0.5 r180; Mechanical 18 "1" at 102.566,33.307 h0.5 r180
R32: Mechanical 18 "2" at 100.666,35.207 h0.5 r180; Mechanical 18 "1" at 102.566,35.207 h0.5 r180